# Allegro board S071AA-0413-20260427_Power3.brd (continued)
## Routing (per net, layer and track width the routed paths; a pad name or vN(x,y) marks a point on that pad's centre or on a via; arc(x,y) is an arc through that point) (continued)
184.88,332.74 ; D113.A8 186.5,332.74 ; D113.A8 185.69,333.55 ; D123.B11 115.38,58.42 ; D123.B11 114.57,59.23 ; D123.B11 114.57,57.61 ; D123.B11 113.76,58.42 ; 96.79,75.39 D122.A4 ; D122.A4 96.79,77.01 ; D122.A4 95.98,76.2 ; D122.A4 97.6,76.2 ; D106.B12 264.43,82.09 ; D106.B12 264.43,80.47 ; D106.B12 265.24,81.28 ; D106.B12 263.62,81.28 ; 172.99,52.53 D103.A5 ; D103.A5 172.99,54.15 ; D103.A5 173.8,53.34 ; D103.A5 172.18,53.34 ; 195.85,55.07 D103.A14 ; D103.A14 195.85,56.69 ; D103.A14 195.04,55.88 ; D103.A14 196.66,55.88 ; D102.B8 181.42,81.28 ; D102.B8 180.61,80.47 ; D102.B8 180.61,82.09 ; D102.B8 179.8,81.28 ; CSDPS229.C1 56.96,330.2 ; CSDPS229.C1 55.34,330.2 ; CSDPS229.C1 56.15,331.01 ; CSDPS229.C1 56.15,329.39 ; 94.25,339.55 CSDPS425.C15 ; CSDPS425.C15 93.44,340.36 ; CSDPS425.C15 95.06,340.36 ; CSDPS425.C15 94.25,341.17 ; 241.57,32.21 D108.A3 ; D108.A3 240.76,33.02 ; D108.A3 242.38,33.02 ; D108.A3 241.57,33.83 ; 129.81,400.51 D428.B1 ; D428.B1 130.62,401.32 ; D428.B1 129.81,402.13 ; D428.B1 129,401.32 ; D107.B1 236.49,59.23 ; D107.B1 236.49,57.61 ; D107.B1 237.3,58.42 ; D107.B1 235.68,58.42 ; 99.33,98.25 D121.B5 ; D121.B5 98.52,99.06 ; D121.B5 100.14,99.06 ; D121.B5 99.33,99.87 ; 248.38,332.74 D109.A12 ; D109.A12 249.19,333.55 ; D109.A12 250,332.74 ; D109.A12 249.19,331.93 ; CSDPS229.B14 23.94,332.74 ; CSDPS229.B14 23.13,333.55 ; CSDPS229.B14 22.32,332.74 ; CSDPS229.B14 23.13,331.93 ; 195.04,81.28 D102.B14 ; D102.B14 195.85,82.09 ; D102.B14 195.85,80.47 ; D102.B14 196.66,81.28 ; D115.B3 198.39,371.65 ; D115.B3 198.39,370.03 ; D115.B3 199.2,370.84 ; D115.B3 197.58,370.84 ; D432.B15 21.4,401.32 ; D432.B15 20.59,400.51 ; D432.B15 20.59,402.13 ; D432.B15 19.78,401.32 ; DPS1.C15 272.05,19.86 ; DPS1.C15 272.86,19.05 ; DPS1.C15 271.24,19.05 ; DPS1.C15 272.05,18.24 ; CSDPS225.B10 106.95,333.55 ; CSDPS225.B10 106.14,332.74 ; CSDPS225.B10 107.76,332.74 ; CSDPS225.B10 106.95,331.93 ; DPS8.B01 56.96,412.75 ; DPS8.B01 56.15,411.94 ; DPS8.B01 55.34,412.75 ; DPS8.B01 56.15,413.56 ; D428.B3 125.54,401.32 ; D428.B3 124.73,402.13 ; D428.B3 124.73,400.51 ; D428.B3 123.92,401.32 ; 116.3,383.54 D427.A6 ; D427.A6 117.11,382.73 ; D427.A6 117.92,383.54 ; D427.A6 117.11,384.35 ; D123.A3 94.25,54.15 ; D123.A3 95.06,53.34 ; D123.A3 93.44,53.34 ; D123.A3 94.25,52.53 ; D228.B11 104.41,391.97 ; D228.B11 103.6,391.16 ; D228.B11 104.41,390.35 ; D228.B11 105.22,391.16 ; 126.46,363.22 CSDPS426.B2 ; CSDPS426.B2 127.27,364.03 ; CSDPS426.B2 128.08,363.22 ; CSDPS426.B2 127.27,362.41 ; D107.A15 272.86,53.34 ; D107.A15 271.24,53.34 ; D107.A15 272.05,52.53 ; D107.A15 272.05,54.15 ; 172.99,370.03 D115.B13 ; D115.B13 172.18,370.84 ; D115.B13 172.99,371.65 ; D115.B13 173.8,370.84 ; 116.3,35.56 D124.A12 ; D124.A12 117.11,36.37 ; D124.A12 117.92,35.56 ; D124.A12 117.11,34.75 ; D119.A6 28.21,56.69 ; D119.A6 28.21,55.07 ; D119.A6 27.4,55.88 ; D119.A6 29.02,55.88 ; 35.83,370.03 D231.B9 ; D231.B9 35.83,371.65 ; D231.B9 35.02,370.84 ; D231.B9 36.64,370.84 ; D120.A9 36.64,33.02 ; D120.A9 35.83,32.21 ; D120.A9 35.83,33.83 ; D120.A9 35.02,33.02 ; 162.02,38.1 D104.B1 ; D104.B1 163.64,38.1 ; D104.B1 162.83,37.29 ; D104.B1 162.83,38.91 ; D123.A10 112.84,55.88 ; D123.A10 112.03,56.69 ; D123.A10 112.03,55.07 ; D123.A10 111.22,55.88 ; 15.51,400.51 D432.B17 ; D432.B17 16.32,401.32 ; D432.B17 14.7,401.32 ; D432.B17 15.51,402.13 ; 106.14,398.78 D428.B10 ; D428.B10 106.95,397.97 ; D428.B10 106.95,399.59 ; D428.B10 107.76,398.78 ; 91.71,100.79 D121.B2 ; D121.B2 91.71,102.41 ; D121.B2 92.52,101.6 ; D121.B2 90.9,101.6 ; 88.36,396.24 D228.A17 ; D228.A17 89.17,395.43 ; D228.A17 89.17,397.05 ; D228.A17 89.98,396.24 ; 117.11,39.83 D124.B12 ; D124.B12 116.3,40.64 ; D124.B12 117.11,41.45 ; D124.B12 117.92,40.64 ; 182.34,396.24 D116.A9 ; D116.A9 183.15,397.05 ; D116.A9 183.15,395.43 ; D116.A9 183.96,396.24 ; D432.A3 51.07,407.21 ; D432.A3 51.88,406.4 ; D432.A3 51.07,405.59 ; D432.A3 50.26,406.4 ; D431.A6 43.45,384.35 ; D431.A6 43.45,382.73 ; D431.A6 44.26,383.54 ; D431.A6 42.64,383.54 ; 95.98,383.54 D427.A14 ; D427.A14 96.79,384.35 ; D427.A14 96.79,382.73 ; D427.A14 97.6,383.54 ; 243.3,60.96 D107.B4 ; D107.B4 244.11,60.15 ; D107.B4 244.92,60.96 ; D107.B4 244.11,61.77 ; 96.79,80.47 D122.B4 ; D122.B4 97.6,81.28 ; D122.B4 96.79,82.09 ; D122.B4 95.98,81.28 ; D124.B15 125.54,38.1 ; D124.B15 123.92,38.1 ; D124.B15 124.73,37.29 ; D124.B15 124.73,38.91 ; D109.A5 266.97,336.09 ; D109.A5 267.78,335.28 ; D109.A5 266.97,334.47 ; D109.A5 266.16,335.28 ; 264.43,55.07 D107.A12 ; D107.A12 263.62,55.88 ; D107.A12 264.43,56.69 ; D107.A12 265.24,55.88 ; D112.A16 239.03,394.51 ; D112.A16 238.22,393.7 ; D112.A16 239.03,392.89 ; D112.A16 239.84,393.7 ; D119.B5 25.67,59.23 ; D119.B5 25.67,57.61 ; D119.B5 24.86,58.42 ; D119.B5 26.48,58.42 ; D119.A4 23.13,56.69 ; D119.A4 22.32,55.88 ; D119.A4 23.94,55.88 ; D119.A4 23.13,55.07 ; 27.4,378.46 D431.B12 ; D431.B12 29.02,378.46 ; D431.B12 28.21,379.27 ; D431.B12 28.21,377.65 ; 19.18,361.14 UHC430.G1_6 ; UHC430.G1_6 19.99,361.95 ; UHC430.G1_6 18.37,361.95 ; UHC430.G1_6 19.18,362.76 ; 167.91,349.71 D114.B15 ; D114.B15 167.91,351.33 ; D114.B15 168.72,350.52 ; D114.B15 167.1,350.52 ; D123.B8 106.95,61.77 ; D123.B8 107.76,60.96 ; D123.B8 106.95,60.15 ; D123.B8 106.14,60.96 ; 23.13,382.73 D431.A14 ; D431.A14 22.32,383.54 ; D431.A14 23.13,384.35 ; D431.A14 23.94,383.54 ; D427.A7 115.38,386.08 ; D427.A7 113.76,386.08 ; D427.A7 114.57,386.89 ; D427.A7 114.57,385.27 ; D104.A3 168.72,33.02 ; D104.A3 167.91,33.83 ; D104.A3 167.1,33.02 ; D104.A3 167.91,32.21 ; D431.B7 41.72,381 ; D431.B7 40.91,381.81 ; D431.B7 40.1,381 ; D431.B7 40.91,380.19 ; 101.87,80.47 D122.B6 ; D122.B6 101.06,81.28 ; D122.B6 101.87,82.09 ; D122.B6 102.68,81.28 ; 101.06,398.78 D428.B12 ; D428.B12 102.68,398.78 ; D428.B12 101.87,399.59 ; D428.B12 101.87,397.97 ; D232.B3 51.88,391.16 ; D232.B3 51.07,391.97 ; D232.B3 50.26,391.16 ; D232.B3 51.07,390.35 ; D428.B11 104.41,402.13 ; D428.B11 105.22,401.32 ; D428.B11 104.41,400.51 ; D428.B11 103.6,401.32 ; 238.22,101.6 D105.B2 ; D105.B2 239.03,100.79 ; D105.B2 239.84,101.6 ; D105.B2 239.03,102.41 ; 253.46,60.96 D107.B8 ; D107.B8 254.27,61.77 ; D107.B8 255.08,60.96 ; D107.B8 254.27,60.15 ; D104.B9 183.15,38.91 ; D104.B9 182.34,38.1 ; D104.B9 183.96,38.1 ; D104.B9 183.15,37.29 ; D115.B11 178.07,371.65 ; D115.B11 177.26,370.84 ; D115.B11 178.88,370.84 ; D115.B11 178.07,370.03 ; 53.61,372.57 D231.A2 ; D231.A2 54.42,373.38 ; D231.A2 53.61,374.19 ; D231.A2 52.8,373.38 ; 19.78,375.92 D231.A15 ; D231.A15 20.59,375.11 ; D231.A15 21.4,375.92 ; D231.A15 20.59,376.73 ; D227.A13 99.33,376.73 ; D227.A13 98.52,375.92 ; D227.A13 99.33,375.11 ; D227.A13 100.14,375.92 ; D231.A6 43.45,374.19 ; D231.A6 44.26,373.38 ; D231.A6 43.45,372.57 ; D231.A6 42.64,373.38 ; UHC230.G3_11 48.98,349.1 ; UHC230.G3_11 48.98,347.48 ; UHC230.G3_11 49.79,348.29 ; UHC230.G3_11 48.17,348.29 ; D107.B7 251.73,59.23 ; D107.B7 250.92,58.42 ; D107.B7 252.54,58.42 ; D107.B7 251.73,57.61 ; D231.A11 30.75,376.73 ; D231.A11 30.75,375.11 ; D231.A11 31.56,375.92 ; D231.A11 29.94,375.92 ; D432.B10 34.1,398.78 ; D432.B10 33.29,397.97 ; D432.B10 32.48,398.78 ; D432.B10 33.29,399.59 ; D104.A11 188.23,33.83 ; D104.A11 189.04,33.02 ; D104.A11 188.23,32.21 ; D104.A11 187.42,33.02 ; D120.A3 20.59,33.83 ; D120.A3 20.59,32.21 ; D120.A3 19.78,33.02 ; D120.A3 21.4,33.02 ; 50.26,375.92 D231.A3 ; D231.A3 51.07,376.73 ; D231.A3 51.07,375.11 ; D231.A3 51.88,375.92 ; 93.44,58.42 D123.B3 ; D123.B3 95.06,58.42 ; D123.B3 94.25,59.23 ; D123.B3 94.25,57.61 ; D123.A2 91.71,56.69 ; D123.A2 91.71,55.07 ; D123.A2 90.9,55.88 ; D123.A2 92.52,55.88 ; 118.84,99.06 D121.B13 ; D121.B13 120.46,99.06 ; D121.B13 119.65,98.25 ; D121.B13 119.65,99.87 ; D123.B16 128.08,60.96 ; D123.B16 127.27,61.77 ; D123.B16 126.46,60.96 ; D123.B16 127.27,60.15 ; CSDPS229.C9 35.83,331.01 ; CSDPS229.C9 35.83,329.39 ; CSDPS229.C9 35.02,330.2 ; CSDPS229.C9 36.64,330.2 ; D106.B13 266.97,79.55 ; D106.B13 266.16,78.74 ; D106.B13 267.78,78.74 ; D106.B13 266.97,77.93 ; D124.A16 127.27,36.37 ; D124.A16 127.27,34.75 ; D124.A16 128.08,35.56 ; D124.A16 126.46,35.56 ; 246.65,395.43 D112.A13 ; D112.A13 245.84,396.24 ; D112.A13 246.65,397.05 ; D112.A13 247.46,396.24 ; CSDPS426.C13 99.33,361.49 ; CSDPS426.C13 98.52,360.68 ; CSDPS426.C13 100.14,360.68 ; CSDPS426.C13 99.33,359.87 ; D116.A6 191.58,393.7 ; D116.A6 190.77,394.51 ; D116.A6 190.77,392.89 ; D116.A6 189.96,393.7 ; D231.B17 16.32,370.84 ; D231.B17 14.7,370.84 ; D231.B17 15.51,371.65 ; D231.B17 15.51,370.03 ; D121.B14 123,101.6 ; D121.B14 122.19,100.79 ; D121.B14 121.38,101.6 ; D121.B14 122.19,102.41 ; 45.99,375.11 D231.A5 ; D231.A5 45.18,375.92 ; D231.A5 46.8,375.92 ; D231.A5 45.99,376.73 ; D104.B10 185.69,41.45 ; D104.B10 185.69,39.83 ; D104.B10 184.88,40.64 ; D104.B10 186.5,40.64 ; 245.84,355.6 D110.A13 ; D110.A13 246.65,356.41 ; D110.A13 247.46,355.6 ; D110.A13 246.65,354.79 ; 48.53,55.07 D119.A14 ; D119.A14 48.53,56.69 ; D119.A14 47.72,55.88 ; D119.A14 49.34,55.88 ; UHC230.G4_13 14.58,349.1 ; UHC230.G4_13 15.39,348.29 ; UHC230.G4_13 13.77,348.29 ; UHC230.G4_13 14.58,347.48 ; CSDPS226.B16 91.71,353.87 ; CSDPS226.B16 92.52,353.06 ; CSDPS226.B16 91.71,352.25 ; CSDPS226.B16 90.9,353.06 ; 195.85,372.57 D115.A4 ; D115.A4 195.85,374.19 ; D115.A4 195.04,373.38 ; D115.A4 196.66,373.38 ; 88.36,53.34 D123.A1 ; D123.A1 89.17,52.53 ; D123.A1 89.17,54.15 ; D123.A1 89.98,53.34 ; D431.B14 23.13,379.27 ; D431.B14 22.32,378.46 ; D431.B14 23.94,378.46 ; D431.B14 23.13,377.65 ; D428.A8 112.84,403.86 ; D428.A8 112.03,403.05 ; D428.A8 111.22,403.86 ; D428.A8 112.03,404.67 ; CSDPS226.B8 112.03,353.87 ; CSDPS226.B8 111.22,353.06 ; CSDPS226.B8 112.03,352.25 ; CSDPS226.B8 112.84,353.06 ; 99.33,77.93 D122.B5 ; D122.B5 100.14,78.74 ; D122.B5 98.52,78.74 ; D122.B5 99.33,79.55 ; D427.A11 105.22,386.08 ; D427.A11 103.6,386.08 ; D427.A11 104.41,386.89 ; D427.A11 104.41,385.27 ; 38.37,403.05 D432.A8 ; D432.A8 38.37,404.67 ; D432.A8 37.56,403.86 ; D432.A8 39.18,403.86 ; 35.83,405.59 D432.A9 ; D432.A9 36.64,406.4 ; D432.A9 35.02,406.4 ; D432.A9 35.83,407.21 ; D432.A16 18.86,403.86 ; D432.A16 18.05,403.05 ; D432.A16 17.24,403.86 ; D432.A16 18.05,404.67 ; D231.A17 15.51,376.73 ; D231.A17 14.7,375.92 ; D231.A17 16.32,375.92 ; D231.A17 15.51,375.11 ; D231.A10 34.1,373.38 ; D231.A10 33.29,372.57 ; D231.A10 33.29,374.19 ; D231.A10 32.48,373.38 ; CSDPS226.B14 97.6,353.06 ; CSDPS226.B14 96.79,353.87 ; CSDPS226.B14 96.79,352.25 ; CSDPS226.B14 95.98,353.06 ; 56.15,400.51 D432.B1 ; D432.B1 56.15,402.13 ; D432.B1 56.96,401.32 ; D432.B1 55.34,401.32 ; D123.A5 100.14,53.34 ; D123.A5 98.52,53.34 ; D123.A5 99.33,52.53 ; D123.A5 99.33,54.15 ; 50.26,58.42 D119.B15 ; D119.B15 51.07,59.23 ; D119.B15 51.07,57.61 ; D119.B15 51.88,58.42 ; 253.46,81.28 D106.B8 ; D106.B8 255.08,81.28 ; D106.B8 254.27,82.09 ; D106.B8 254.27,80.47 ; D105.B15 272.05,99.87 ; D105.B15 271.24,99.06 ; D105.B15 272.86,99.06 ; D105.B15 272.05,98.25 ; 263.62,96.52 D105.A12 ; D105.A12 265.24,96.52 ; D105.A12 264.43,95.71 ; D105.A12 264.43,97.33 ; 269.51,367.49 D111.B4 ; D111.B4 268.7,368.3 ; D111.B4 269.51,369.11 ; D111.B4 270.32,368.3 ; 172.99,354.79 D114.A13 ; D114.A13 173.8,355.6 ; D114.A13 172.18,355.6 ; D114.A13 172.99,356.41 ; 104.41,52.53 D123.A7 ; D123.A7 103.6,53.34 ; D123.A7 104.41,54.15 ; D123.A7 105.22,53.34 ; 272.05,37.29 D108.B15 ; D108.B15 272.05,38.91 ; D108.B15 272.86,38.1 ; D108.B15 271.24,38.1 ; D107.B13 266.97,59.23 ; D107.B13 266.97,57.61 ; D107.B13 267.78,58.42 ; D107.B13 266.16,58.42 ; 177.26,330.2 D113.B11 ; D113.B11 178.88,330.2 ; D113.B11 178.07,329.39 ; D113.B11 178.07,331.01 ; 198.39,349.71 D114.B3 ; D114.B3 199.2,350.52 ; D114.B3 198.39,351.33 ; D114.B3 197.58,350.52 ; 172.99,349.71 D114.B13 ; D114.B13 172.18,350.52 ; D114.B13 172.99,351.33 ; D114.B13 173.8,350.52 ; 28.21,392.89 D232.A12 ; D232.A12 27.4,393.7 ; D232.A12 29.02,393.7 ; D232.A12 28.21,394.51 ; 248.38,353.06 D110.A12 ; D110.A12 250,353.06 ; D110.A12 249.19,352.25 ; D110.A12 249.19,353.87 ; D231.B14 23.94,368.3 ; D231.B14 23.13,367.49 ; D231.B14 22.32,368.3 ; D231.B14 23.13,369.11 ; 119.65,380.19 D427.B5 ; D427.B5 120.46,381 ; D427.B5 118.84,381 ; D427.B5 119.65,381.81 ; 200.12,327.66 D113.B2 ; D113.B2 200.93,326.85 ; D113.B2 201.74,327.66 ; D113.B2 200.93,328.47 ; 48.53,367.49 D231.B4 ; D231.B4 47.72,368.3 ; D231.B4 49.34,368.3 ; D231.B4 48.53,369.11 ; D123.B2 92.52,60.96 ; D123.B2 90.9,60.96 ; D123.B2 91.71,60.15 ; D123.B2 91.71,61.77 ; 106.95,95.71 D121.A8 ; D121.A8 107.76,96.52 ; D121.A8 106.95,97.33 ; D121.A8 106.14,96.52 ; D228.A10 106.95,394.51 ; D228.A10 107.76,393.7 ; D228.A10 106.14,393.7 ; D228.A10 106.95,392.89 ; 182.34,73.66 D102.A9 ; D102.A9 183.15,72.85 ; D102.A9 183.96,73.66 ; D102.A9 183.15,74.47 ; D227.B3 125.54,370.84 ; D227.B3 124.73,370.03 ; D227.B3 123.92,370.84 ; D227.B3 124.73,371.65 ; 177.26,396.24 D116.A11 ; D116.A11 178.07,395.43 ; D116.A11 178.07,397.05 ; D116.A11 178.88,396.24 ; 240.76,335.28 D109.A15 ; D109.A15 242.38,335.28 ; D109.A15 241.57,334.47 ; D109.A15 241.57,336.09 ; 35.83,375.11 D231.A9 ; D231.A9 35.02,375.92 ; D231.A9 35.83,376.73 ; D231.A9 36.64,375.92 ; D112.A11 252.54,396.24 ; D112.A11 251.73,395.43 ; D112.A11 251.73,397.05 ; D112.A11 250.92,396.24 ; D119.A5 26.48,53.34 ; D119.A5 25.67,54.15 ; D119.A5 24.86,53.34 ; D119.A5 25.67,52.53 ; D231.B6 43.45,369.11 ; D231.B6 44.26,368.3 ; D231.B6 43.45,367.49 ; D231.B6 42.64,368.3 ; DPS3.B15 124.73,17.32 ; DPS3.B15 123.92,16.51 ; DPS3.B15 124.73,15.7 ; DPS3.B15 125.54,16.51 ; 113.76,381 D427.B7 ; D427.B7 114.57,380.19 ; D427.B7 114.57,381.81 ; D427.B7 115.38,381 ; D115.A15 168.72,375.92 ; D115.A15 167.91,376.73 ; D115.A15 167.1,375.92 ; D115.A15 167.91,375.11 ; 124.73,57.61 D123.B15 ; D123.B15 124.73,59.23 ; D123.B15 123.92,58.42 ; D123.B15 125.54,58.42 ; 48.53,377.65 D431.B4 ; D431.B4 49.34,378.46 ; D431.B4 47.72,378.46 ; D431.B4 48.53,379.27 ; 52.8,383.54 D431.A2 ; D431.A2 53.61,384.35 ; D431.A2 54.42,383.54 ; D431.A2 53.61,382.73 ; 117.11,387.81 D228.B6 ; D228.B6 116.3,388.62 ; D228.B6 117.11,389.43 ; D228.B6 117.92,388.62 ; 45.87,365.45 UHC430.G2_2 ; UHC430.G2_2 47.49,365.45 ; UHC430.G2_2 46.68,364.64 ; UHC430.G2_2 46.68,366.26 ; 89.17,37.29 D124.B1 ; D124.B1 89.98,38.1 ; D124.B1 88.36,38.1 ; D124.B1 89.17,38.91 ; 16.88,347.48 UHC230.G4_12 ; UHC230.G4_12 16.07,348.29 ; UHC230.G4_12 16.88,349.1 ; UHC230.G4_12 17.69,348.29 ; 268.7,393.7 D112.A4 ; D112.A4 269.51,392.89 ; D112.A4 269.51,394.51 ; D112.A4 270.32,393.7 ; 123.92,99.06 D121.B15 ; D121.B15 124.73,98.25 ; D121.B15 124.73,99.87 ; D121.B15 125.54,99.06 ; D228.A14 97.6,393.7 ; D228.A14 95.98,393.7 ; D228.A14 96.79,394.51 ; D228.A14 96.79,392.89 ; 18.03,362.89 UHC430.G1_4 ; UHC430.G1_4 18.03,364.51 ; UHC430.G1_4 17.22,363.7 ; UHC430.G1_4 18.84,363.7 ; 235.68,73.66 D106.A1 ; D106.A1 236.49,74.47 ; D106.A1 236.49,72.85 ; D106.A1 237.3,73.66 ; D110.B13 247.46,350.52 ; D110.B13 245.84,350.52 ; D110.B13 246.65,349.71 ; D110.B13 246.65,351.33 ; 261.89,37.29 D108.B11 ; D108.B11 261.08,38.1 ; D108.B11 261.89,38.91 ; D108.B11 262.7,38.1 ; D120.B7 31.56,38.1 ; D120.B7 29.94,38.1 ; D120.B7 30.75,37.29 ; D120.B7 30.75,38.91 ; 116.3,393.7 D228.A6 ; D228.A6 117.92,393.7 ; D228.A6 117.11,392.89 ; D228.A6 117.11,394.51 ; D432.A6 44.26,403.86 ; D432.A6 43.45,403.05 ; D432.A6 43.45,404.67 ; D432.A6 42.64,403.86 ; 261.08,396.24 D112.A7 ; D112.A7 262.7,396.24 ; D112.A7 261.89,397.05 ; D112.A7 261.89,395.43 ; 187.42,38.1 D104.B11 ; D104.B11 188.23,38.91 ; D104.B11 189.04,38.1 ; D104.B11 188.23,37.29 ; D115.A1 204.28,375.92 ; D115.A1 203.47,376.73 ; D115.A1 202.66,375.92 ; D115.A1 203.47,375.11 ; DPS8.A11 30.75,416.1 ; DPS8.A11 30.75,414.48 ; DPS8.A11 29.94,415.29 ; DPS8.A11 31.56,415.29 ; 96.79,387.81 D228.B14 ; D228.B14 96.79,389.43 ; D228.B14 95.98,388.62 ; D228.B14 97.6,388.62 ; D116.B13 172.99,391.97 ; D116.B13 172.18,391.16 ; D116.B13 172.99,390.35 ; D116.B13 173.8,391.16 ; UHC230.G3_4 47.83,354.35 ; UHC230.G3_4 47.02,353.54 ; UHC230.G3_4 48.64,353.54 ; UHC230.G3_4 47.83,352.73 ; 266.16,391.16 D112.B5 ; D112.B5 267.78,391.16 ; D112.B5 266.97,390.35 ; D112.B5 266.97,391.97 ; D107.A16 275.4,55.88 ; D107.A16 274.59,56.69 ; D107.A16 273.78,55.88 ; D107.A16 274.59,55.07 ; 126.46,388.62 D228.B2 ; D228.B2 127.27,387.81 ; D228.B2 128.08,388.62 ; D228.B2 127.27,389.43 ; D427.A2 127.27,384.35 ; D427.A2 127.27,382.73 ; D427.A2 128.08,383.54 ; D427.A2 126.46,383.54 ; D121.B4 97.6,101.6 ; D121.B4 96.79,102.41 ; D121.B4 96.79,100.79 ; D121.B4 95.98,101.6 ; D113.B9 183.15,331.01 ; D113.B9 183.15,329.39 ; D113.B9 183.96,330.2 ; D113.B9 182.34,330.2 ; CSDPS429.B16 18.05,343.71 ; CSDPS429.B16 18.05,342.09 ; CSDPS429.B16 18.86,342.9 ; CSDPS429.B16 17.24,342.9 ; D119.A16 53.61,56.69 ; D119.A16 54.42,55.88 ; D119.A16 53.61,55.07 ; D119.A16 52.8,55.88 ; 48.17,361.95 UHC430.G2_6 ; UHC430.G2_6 48.98,362.76 ; UHC430.G2_6 48.98,361.14 ; UHC430.G2_6 49.79,361.95 ; D122.A6 101.87,77.01 ; D122.A6 102.68,76.2 ; D122.A6 101.06,76.2 ; D122.A6 101.87,75.39 ; DPS2.C15 168.72,410.21 ; DPS2.C15 167.91,411.02 ; DPS2.C15 167.91,409.4 ; DPS2.C15 167.1,410.21 ; D122.B14 123,81.28 ; D122.B14 122.19,82.09 ; D122.B14 122.19,80.47 ; D122.B14 121.38,81.28 ; UHC430.G1_1 19.18,366.26 ; UHC430.G1_1 19.18,364.64 ; UHC430.G1_1 18.37,365.45 ; UHC430.G1_1 19.99,365.45 ; 90.9,342.9 CSDPS425.B16 ; CSDPS425.B16 91.71,342.09 ; CSDPS425.B16 92.52,342.9 ; CSDPS425.B16 91.71,343.71 ; D228.B5 120.46,391.16 ; D228.B5 118.84,391.16 ; D228.B5 119.65,390.35 ; D228.B5 119.65,391.97 ; D227.A10 107.76,373.38 ; D227.A10 106.95,372.57 ; D227.A10 106.95,374.19 ; D227.A10 106.14,373.38 ; 178.07,77.93 D102.B7 ; D102.B7 178.88,78.74 ; D102.B7 178.07,79.55 ; D102.B7 177.26,78.74 ; D115.A9 183.96,375.92 ; D115.A9 182.34,375.92 ; D115.A9 183.15,376.73 ; D115.A9 183.15,375.11 ; D116.A12 176.34,393.7 ; D116.A12 174.72,393.7 ; D116.A12 175.53,392.89 ; D116.A12 175.53,394.51 ; 175.53,347.17 D114.B12 ; D114.B12 174.72,347.98 ; D114.B12 175.53,348.79 ; D114.B12 176.34,347.98 ; D110.A5 266.97,356.41 ; D110.A5 267.78,355.6 ; D110.A5 266.16,355.6 ; D110.A5 266.97,354.79 ; UHC430.G2_9 47.83,361.01 ; UHC430.G2_9 48.64,360.2 ; UHC430.G2_9 47.83,359.39 ; UHC430.G2_9 47.02,360.2 ; D119.A11 40.91,54.15 ; D119.A11 41.72,53.34 ; D119.A11 40.91,52.53 ; D119.A11 40.1,53.34 ; D103.B9 183.15,59.23 ; D103.B9 183.15,57.61 ; D103.B9 182.34,58.42 ; D103.B9 183.96,58.42 ; D108.B9 257.62,38.1 ; D108.B9 256.81,37.29 ; D108.B9 256.81,38.91 ; D108.B9 256,38.1 ; CSDPS229.C3 51.88,330.2 ; CSDPS229.C3 50.26,330.2 ; CSDPS229.C3 51.07,331.01 ; CSDPS229.C3 51.07,329.39 ; D102.B1 162.83,79.55 ; D102.B1 162.02,78.74 ; D102.B1 162.83,77.93 ; D102.B1 163.64,78.74 ; D232.A3 51.07,397.05 ; D232.A3 50.26,396.24 ; D232.A3 51.88,396.24 ; D232.A3 51.07,395.43 ; 274.59,75.39 D106.A16 ; D106.A16 274.59,77.01 ; D106.A16 273.78,76.2 ; D106.A16 275.4,76.2 ; D228.A9 109.49,397.05 ; D228.A9 109.49,395.43 ; D228.A9 108.68,396.24 ; D228.A9 110.3,396.24 ; D123.A12 117.92,55.88 ; D123.A12 117.11,56.69 ; D123.A12 117.11,55.07 ; D123.A12 116.3,55.88 ; 200.12,347.98 D114.B2 ; D114.B2 200.93,348.79 ; D114.B2 201.74,347.98 ; D114.B2 200.93,347.17 ; 261.89,370.03 D111.B7 ; D111.B7 261.08,370.84 ; D111.B7 262.7,370.84 ; D111.B7 261.89,371.65 ; 261.89,15.7 DPS1.B11 ; DPS1.B11 261.89,17.32 ; DPS1.B11 261.08,16.51 ; DPS1.B11 262.7,16.51 ; D106.B6 250,81.28 ; D106.B6 249.19,82.09 ; D106.B6 248.38,81.28 ; D106.B6 249.19,80.47 ; 40.91,339.55 CSDPS429.C7 ; CSDPS429.C7 40.1,340.36 ; CSDPS429.C7 41.72,340.36 ; CSDPS429.C7 40.91,341.17 ; D107.A10 260.16,55.88 ; D107.A10 259.35,56.69 ; D107.A10 259.35,55.07 ; D107.A10 258.54,55.88 ; D104.A9 183.15,33.83 ; D104.A9 182.34,33.02 ; D104.A9 183.96,33.02 ; D104.A9 183.15,32.21 ; D124.A13 120.46,33.02 ; D124.A13 118.84,33.02 ; D124.A13 119.65,33.83 ; D124.A13 119.65,32.21 ; 44.38,364.64 UHC430.G2_3 ; UHC430.G2_3 44.38,366.26 ; UHC430.G2_3 43.57,365.45 ; UHC430.G2_3 45.19,365.45 ; D232.A1 56.96,396.24 ; D232.A1 55.34,396.24 ; D232.A1 56.15,397.05 ; D232.A1 56.15,395.43 ; 40.1,58.42 D119.B11 ; D119.B11 40.91,59.23 ; D119.B11 41.72,58.42 ; D119.B11 40.91,57.61 ; DPS1.B15 272.86,16.51 ; DPS1.B15 271.24,16.51 ; DPS1.B15 272.05,17.32 ; DPS1.B15 272.05,15.7 ; 35.02,38.1 D120.B9 ; D120.B9 35.83,38.91 ; D120.B9 36.64,38.1 ; D120.B9 35.83,37.29 ; DPS2.C05 194.12,410.21 ; DPS2.C05 193.31,409.4 ; DPS2.C05 192.5,410.21 ; DPS2.C05 193.31,411.02 ; 55.34,415.29 DPS8.A01 ; DPS8.A01 56.15,416.1 ; DPS8.A01 56.15,414.48 ; DPS8.A01 56.96,415.29 ; 182.34,350.52 D114.B9 ; D114.B9 183.15,349.71 ; D114.B9 183.96,350.52 ; D114.B9 183.15,351.33 ; D101.A11 188.23,94.79 ; D101.A11 187.42,93.98 ; D101.A11 188.23,93.17 ; D101.A11 189.04,93.98 ; 195.85,326.85 D113.B4 ; D113.B4 196.66,327.66 ; D113.B4 195.85,328.47 ; D113.B4 195.04,327.66 ; 253.46,76.2 D106.A8 ; D106.A8 254.27,75.39 ; D106.A8 254.27,77.01 ; D106.A8 255.08,76.2 ; 251.73,98.25 D105.B7 ; D105.B7 252.54,99.06 ; D105.B7 251.73,99.87 ; D105.B7 250.92,99.06 ; D119.B12 44.26,60.96 ; D119.B12 43.45,60.15 ; D119.B12 43.45,61.77 ; D119.B12 42.64,60.96 ; D104.B4 171.26,40.64 ; D104.B4 170.45,41.45 ; D104.B4 170.45,39.83 ; D104.B4 169.64,40.64 ; D116.B16 165.37,389.43 ; D116.B16 166.18,388.62 ; D116.B16 165.37,387.81 ; D116.B16 164.56,388.62 ; D108.B10 259.35,41.45 ; D108.B10 259.35,39.83 ; D108.B10 260.16,40.64 ; D108.B10 258.54,40.64 ; D120.B5 25.67,38.91 ; D120.B5 26.48,38.1 ; D120.B5 24.86,38.1 ; D120.B5 25.67,37.29 ; D101.B15 199.2,99.06 ; D101.B15 197.58,99.06 ; D101.B15 198.39,98.25 ; D101.B15 198.39,99.87 ; UHC230.G4 17.69,351.79 ; UHC230.G4 16.07,351.79 ; UHC230.G4 16.88,352.6 ; UHC230.G4 16.88,350.98 ; CSDPS429.C9 36.64,340.36 ; CSDPS429.C9 35.83,339.55 ; CSDPS429.C9 35.83,341.17 ; CSDPS429.C9 35.02,340.36 ; D108.B14 269.51,41.45 ; D108.B14 269.51,39.83 ; D108.B14 270.32,40.64 ; D108.B14 268.7,40.64 ; D106.B11 262.7,78.74 ; D106.B11 261.89,79.55 ; D106.B11 261.08,78.74 ; D106.B11 261.89,77.93 ; 264.43,372.57 D111.A6 ; D111.A6 265.24,373.38 ; D111.A6 264.43,374.19 ; D111.A6 263.62,373.38 ; D118.A1 15.51,74.47 ; D118.A1 15.51,72.85 ; D118.A1 16.32,73.66 ; D118.A1 14.7,73.66 ; 185.69,347.17 D114.B8 ; D114.B8 185.69,348.79 ; D114.B8 184.88,347.98 ; D114.B8 186.5,347.98 ; D431.B2 54.42,378.46 ; D431.B2 52.8,378.46 ; D431.B2 53.61,379.27 ; D431.B2 53.61,377.65 ; D428.B16 91.71,399.59 ; D428.B16 90.9,398.78 ; D428.B16 92.52,398.78 ; D428.B16 91.71,397.97 ; 246.65,18.24 DPS1.C05 ; DPS1.C05 246.65,19.86 ; DPS1.C05 247.46,19.05 ; DPS1.C05 245.84,19.05 ; D113.B10 180.61,328.47 ; D113.B10 180.61,326.85 ; D113.B10 181.42,327.66 ; D113.B10 179.8,327.66 ; UHC430.G2_4 47.83,364.51 ; UHC430.G2_4 47.02,363.7 ; UHC430.G2_4 47.83,362.89 ; UHC430.G2_4 48.64,363.7 ; 172.18,330.2 D113.B13 ; D113.B13 173.8,330.2 ; D113.B13 172.99,331.01 ; D113.B1